# Altium PCB 256sog - killed.PcbDoc (part 1 of 4) (continued)
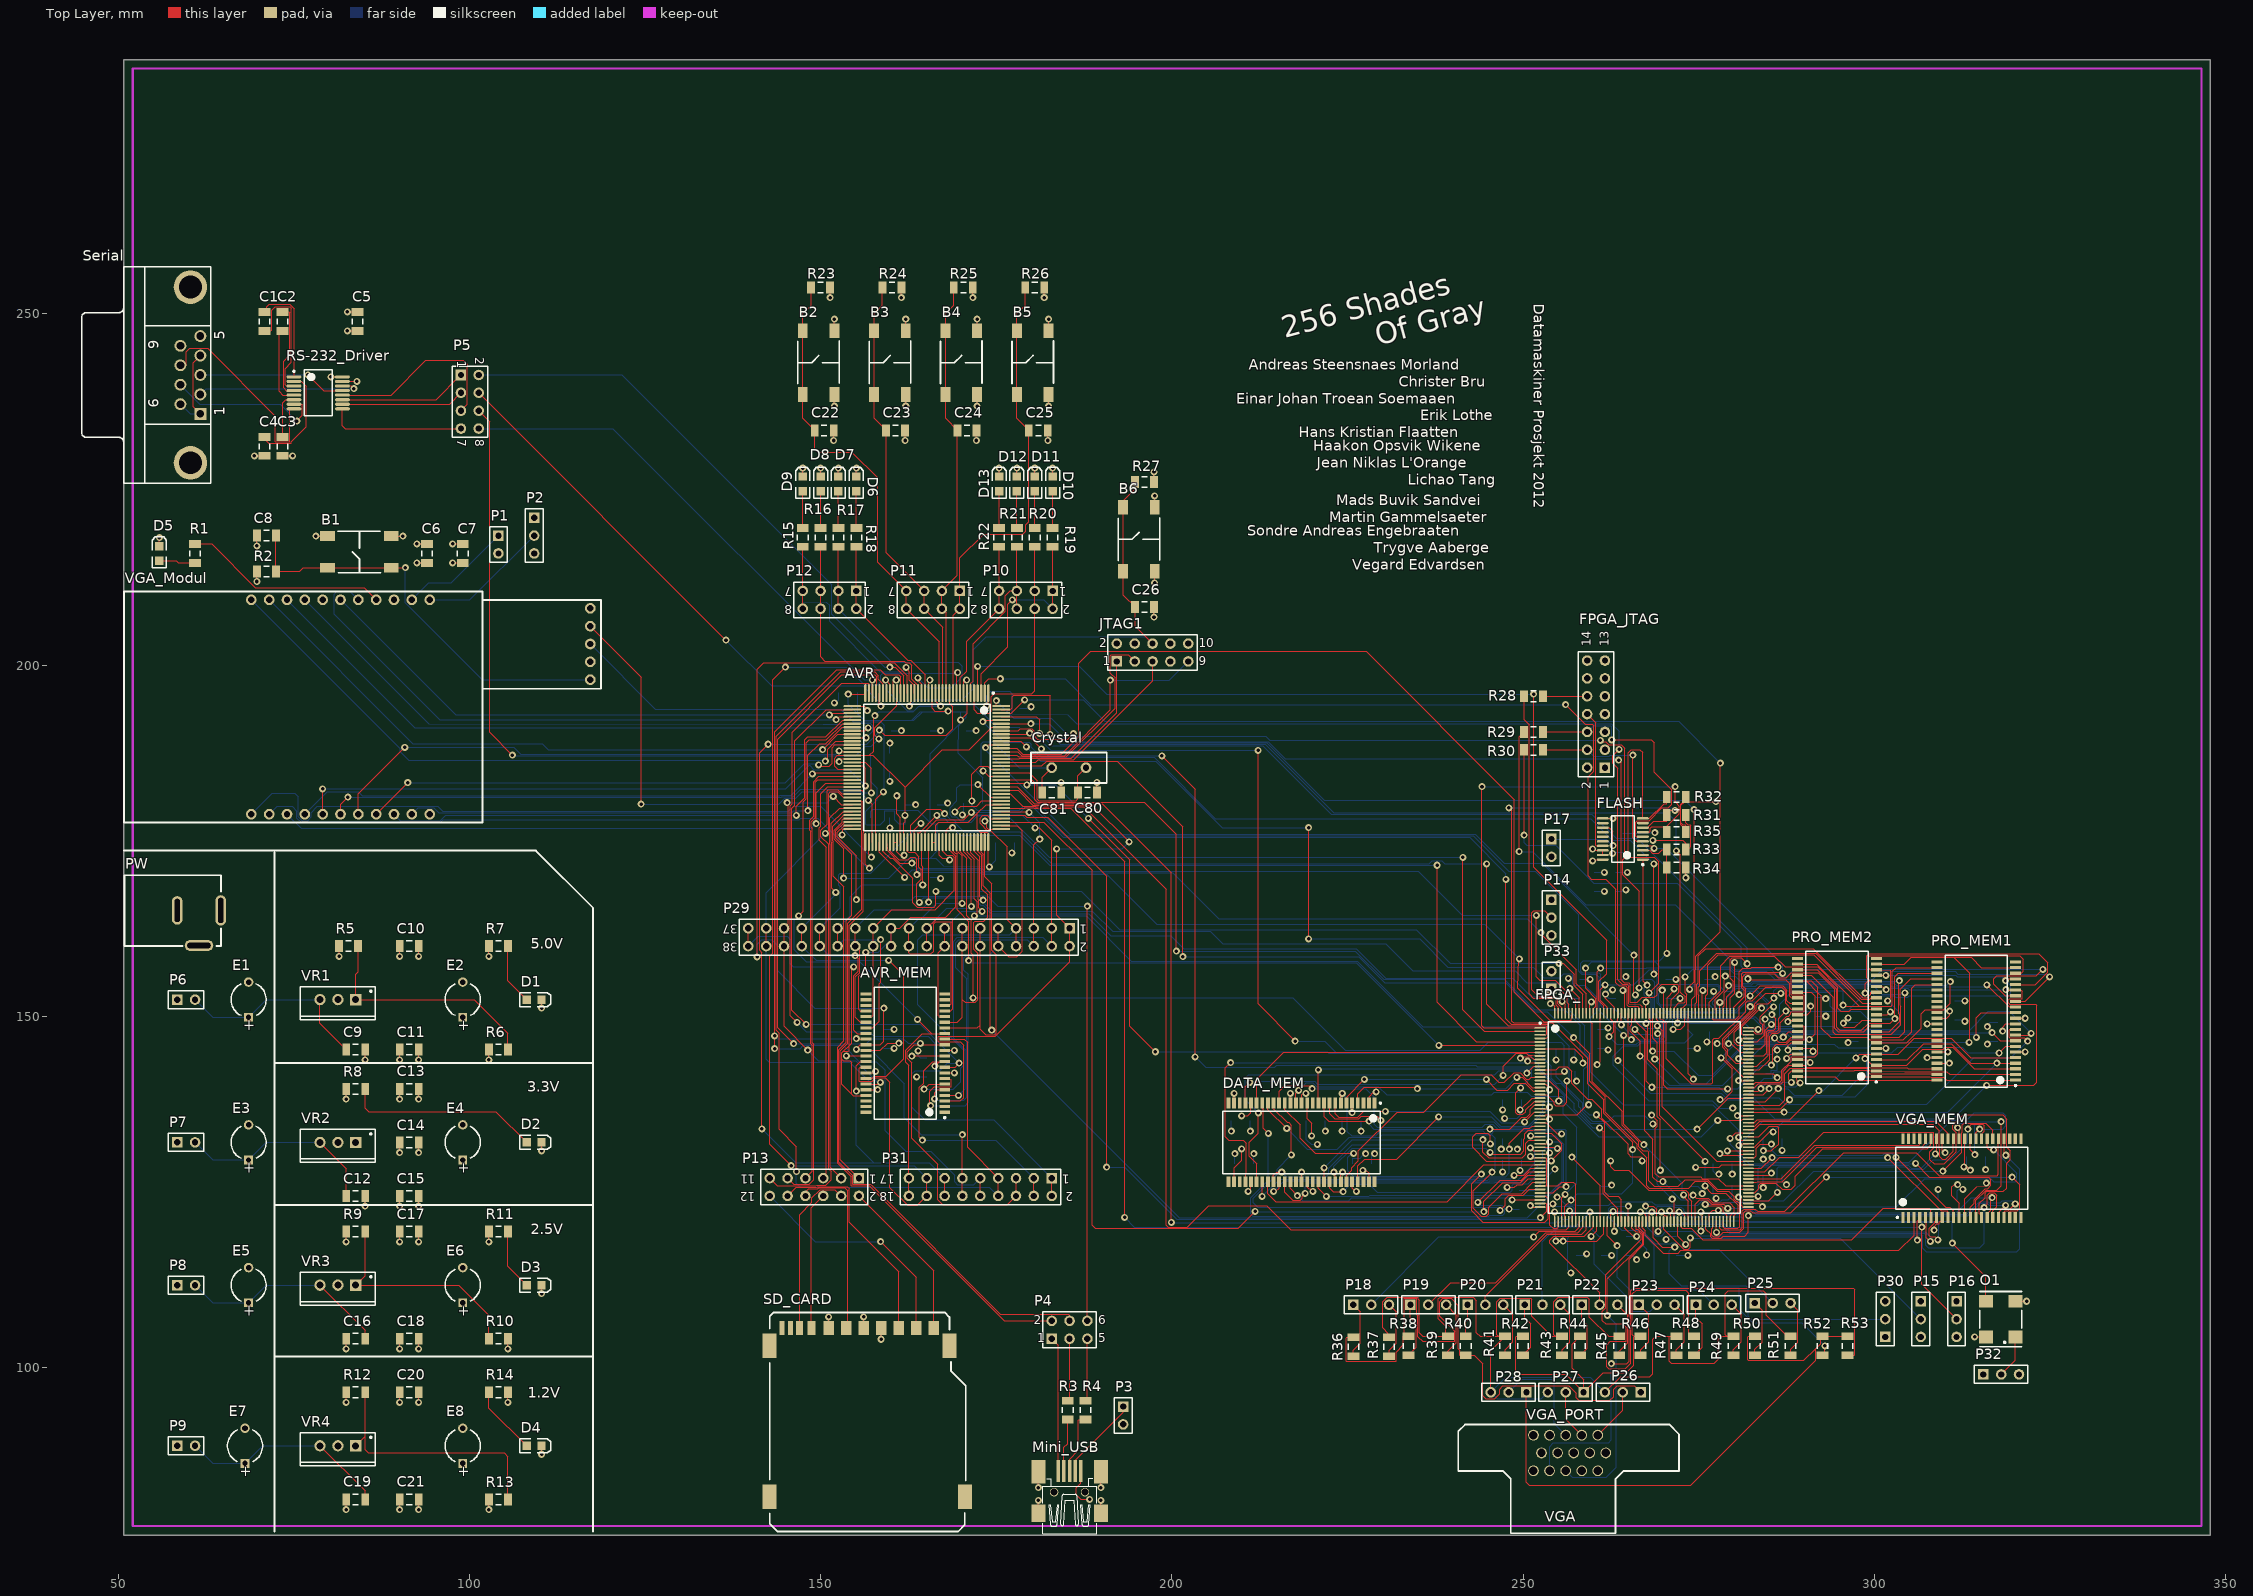
[diagram p0: Top Layer view]
## Footprints (in the part's own frame and the unit in brackets; to place one, negate y for a bottom-side part, rotate by r counter-clockwise, add the part's x,y. Pads: shape width x height; smd on the part's side, far side on the other; paste and mask are expansions set on the pad) (continued)
  silkscreen extent -1.27,-1.27 46.99,3.81
MY_TQFP144 [mm]
  oval 2.54x0.3 smd: 1(-10.6,8.75) 2(-10.6,8.25) 3(-10.6,7.75) 4(-10.6,7.25) 5(-10.6,6.75) 6(-10.6,6.25) 7(-10.6,5.75) 8(-10.6,5.25) 9(-10.6,4.75) 10(-10.6,4.25) 11(-10.6,3.75) 12(-10.6,3.25) 13(-10.6,2.75) 14(-10.6,2.25) 15(-10.6,1.75) 16(-10.6,1.25) 17(-10.6,0.75) 18(-10.6,0.25) 19(-10.6,-0.25) 20(-10.6,-0.75) 21(-10.6,-1.25) 22(-10.6,-1.75) 23(-10.6,-2.25) 24(-10.6,-2.75) 25(-10.6,-3.25) 26(-10.6,-3.75) 27(-10.6,-4.25) 28(-10.6,-4.75) 29(-10.6,-5.25) 30(-10.6,-5.75) 31(-10.6,-6.25) 32(-10.6,-6.75) 33(-10.6,-7.25) 34(-10.6,-7.75) 35(-10.6,-8.25) 36(-10.6,-8.75) 73(10.6,-8.75) 74(10.6,-8.25) 75(10.6,-7.75) 76(10.6,-7.25) 77(10.6,-6.75) 78(10.6,-6.25) 79(10.6,-5.75) 80(10.6,-5.25) 81(10.6,-4.75) 82(10.6,-4.25) 83(10.6,-3.75) 84(10.6,-3.25) 85(10.6,-2.75) 86(10.6,-2.25) 87(10.6,-1.75) 88(10.6,-1.25) 89(10.6,-0.75) 90(10.6,-0.25) 91(10.6,0.25) 92(10.6,0.75) 93(10.6,1.25) 94(10.6,1.75) 95(10.6,2.25) 96(10.6,2.75) 97(10.6,3.25) 98(10.6,3.75) 99(10.6,4.25) 100(10.6,4.75) 101(10.6,5.25) 102(10.6,5.75) 103(10.6,6.25) 104(10.6,6.75) 105(10.6,7.25) 106(10.6,7.75) 107(10.6,8.25) 108(10.6,8.75)
  oval 0.3x2.54 smd: 37(-8.75,-10.6) 38(-8.25,-10.6) 39(-7.75,-10.6) 40(-7.25,-10.6) 41(-6.75,-10.6) 42(-6.25,-10.6) 43(-5.75,-10.6) 44(-5.25,-10.6) 45(-4.75,-10.6) 46(-4.25,-10.6) 47(-3.75,-10.6) 48(-3.25,-10.6) 49(-2.75,-10.6) 50(-2.25,-10.6) 51(-1.75,-10.6) 52(-1.25,-10.6) 53(-0.75,-10.6) 54(-0.25,-10.6) 55(0.25,-10.6) 56(0.75,-10.6) 57(1.25,-10.6) 58(1.75,-10.6) 59(2.25,-10.6) 60(2.75,-10.6) 61(3.25,-10.6) 62(3.75,-10.6) 63(4.25,-10.6) 64(4.75,-10.6) 65(5.25,-10.6) 66(5.75,-10.6) 67(6.25,-10.6) 68(6.75,-10.6) 69(7.25,-10.6) 70(7.75,-10.6) 71(8.25,-10.6) 72(8.75,-10.6) 109(8.75,10.6) 110(8.25,10.6) 111(7.75,10.6) 112(7.25,10.6) 113(6.75,10.6) 114(6.25,10.6) 115(5.75,10.6) 116(5.25,10.6) 117(4.75,10.6) 118(4.25,10.6) 119(3.75,10.6) 120(3.25,10.6) 121(2.75,10.6) 122(2.25,10.6) 123(1.75,10.6) 124(1.25,10.6) 125(0.75,10.6) 126(0.25,10.6) 127(-0.25,10.6) 128(-0.75,10.6) 129(-1.25,10.6) 130(-1.75,10.6) 131(-2.25,10.6) 132(-2.75,10.6) 133(-3.25,10.6) 134(-3.75,10.6) 135(-4.25,10.6) 136(-4.75,10.6) 137(-5.25,10.6) 138(-5.75,10.6) 139(-6.25,10.6) 140(-6.75,10.6) 141(-7.25,10.6) 142(-7.75,10.6) 143(-8.25,10.6) 144(-8.75,10.6)
  silkscreen extent -10.72,-8.99 9.02,9.58, body extent -10,-10 10,10, height 1.6
My_USB [mm]
  rect 3.1x0.5 smd: 1(3,1.6) 2(3,0.8) 3(3,0) 4(3,-0.8) 5(3,-1.6)
  rect 2.5x2 smd: 5(-3,4.45) 5(-3,-4.45)
  rect 3.3x2 smd: 5(2.9,4.45) 5(2.9,-4.45)
  round 1.2 hole 1 unplated: ""(0,2.2) ""(0,-2.2)
  silkscreen extent -5.92,-3.85 1.97,3.85
Oscilator [mm]
  rect 1.8x2 smd: 1(0,0) 2(5.08,0) 3(5.08,4.2) 4(0,4.2)
  silkscreen extent -1.4,-0.89 6.48,5.08
PQG208_L [mm] "Shrink QFP, 208-Leads, Body 28x28mm, Pitch 0.5mm, IPC High Density"
  oval 1.55x0.25 smd: 1(-14.825,12.75) 2(-14.825,12.25) 3(-14.825,11.75) 4(-14.825,11.25) 5(-14.825,10.75) 6(-14.825,10.25) 7(-14.825,9.75) 8(-14.825,9.25) 9(-14.825,8.75) 10(-14.825,8.25) 11(-14.825,7.75) 12(-14.825,7.25) 13(-14.825,6.75) 14(-14.825,6.25) 15(-14.825,5.75) 16(-14.825,5.25) 17(-14.825,4.75) 18(-14.825,4.25) 19(-14.825,3.75) 20(-14.825,3.25) 21(-14.825,2.75) 22(-14.825,2.25) 23(-14.825,1.75) 24(-14.825,1.25) 25(-14.825,0.75) 26(-14.825,0.25) 27(-14.825,-0.25) 28(-14.825,-0.75) 29(-14.825,-1.25) 30(-14.825,-1.75) 31(-14.825,-2.25) 32(-14.825,-2.75) 33(-14.825,-3.25) 34(-14.825,-3.75) 35(-14.825,-4.25) 36(-14.825,-4.75) 37(-14.825,-5.25) 38(-14.825,-5.75) 39(-14.825,-6.25) 40(-14.825,-6.75) 41(-14.825,-7.25) 42(-14.825,-7.75) 43(-14.825,-8.25) 44(-14.825,-8.75) 45(-14.825,-9.25) 46(-14.825,-9.75) 47(-14.825,-10.25) 48(-14.825,-10.75) 49(-14.825,-11.25) 50(-14.825,-11.75) 51(-14.825,-12.25) 52(-14.825,-12.75) 105(14.825,-12.75) 106(14.825,-12.25) 107(14.825,-11.75) 108(14.825,-11.25) 109(14.825,-10.75) 110(14.825,-10.25) 111(14.825,-9.75) 112(14.825,-9.25) 113(14.825,-8.75) 114(14.825,-8.25) 115(14.825,-7.75) 116(14.825,-7.25) 117(14.825,-6.75) 118(14.825,-6.25) 119(14.825,-5.75) 120(14.825,-5.25) 121(14.825,-4.75) 122(14.825,-4.25) 123(14.825,-3.75) 124(14.825,-3.25) 125(14.825,-2.75) 126(14.825,-2.25) 127(14.825,-1.75) 128(14.825,-1.25) 129(14.825,-0.75) 130(14.825,-0.25) 131(14.825,0.25) 132(14.825,0.75) 133(14.825,1.25) 134(14.825,1.75) 135(14.825,2.25) 136(14.825,2.75) 137(14.825,3.25) 138(14.825,3.75) 139(14.825,4.25) 140(14.825,4.75) 141(14.825,5.25) 142(14.825,5.75) 143(14.825,6.25) 144(14.825,6.75) 145(14.825,7.25) 146(14.825,7.75) 147(14.825,8.25) 148(14.825,8.75) 149(14.825,9.25) 150(14.825,9.75) 151(14.825,10.25) 152(14.825,10.75) 153(14.825,11.25) 154(14.825,11.75) 155(14.825,12.25) 156(14.825,12.75)
  oval 0.25x1.55 smd: 53(-12.75,-14.825) 54(-12.25,-14.825) 55(-11.75,-14.825) 56(-11.25,-14.825) 57(-10.75,-14.825) 58(-10.25,-14.825) 59(-9.75,-14.825) 60(-9.25,-14.825) 61(-8.75,-14.825) 62(-8.25,-14.825) 63(-7.75,-14.825) 64(-7.25,-14.825) 65(-6.75,-14.825) 66(-6.25,-14.825) 67(-5.75,-14.825) 68(-5.25,-14.825) 69(-4.75,-14.825) 70(-4.25,-14.825) 71(-3.75,-14.825) 72(-3.25,-14.825) 73(-2.75,-14.825) 74(-2.25,-14.825) 75(-1.75,-14.825) 76(-1.25,-14.825) 77(-0.75,-14.825) 78(-0.25,-14.825) 79(0.25,-14.825) 80(0.75,-14.825) 81(1.25,-14.825) 82(1.75,-14.825) 83(2.25,-14.825) 84(2.75,-14.825) 85(3.25,-14.825) 86(3.75,-14.825) 87(4.25,-14.825) 88(4.75,-14.825) 89(5.25,-14.825) 90(5.75,-14.825) 91(6.25,-14.825) 92(6.75,-14.825) 93(7.25,-14.825) 94(7.75,-14.825) 95(8.25,-14.825) 96(8.75,-14.825) 97(9.25,-14.825) 98(9.75,-14.825) 99(10.25,-14.825) 100(10.75,-14.825) 101(11.25,-14.825) 102(11.75,-14.825) 103(12.25,-14.825) 104(12.75,-14.825) 157(12.75,14.825) 158(12.25,14.825) 159(11.75,14.825) 160(11.25,14.825) 161(10.75,14.825) 162(10.25,14.825) 163(9.75,14.825) 164(9.25,14.825) 165(8.75,14.825) 166(8.25,14.825) 167(7.75,14.825) 168(7.25,14.825) 169(6.75,14.825) 170(6.25,14.825) 171(5.75,14.825) 172(5.25,14.825) 173(4.75,14.825) 174(4.25,14.825) 175(3.75,14.825) 176(3.25,14.825) 177(2.75,14.825) 178(2.25,14.825) 179(1.75,14.825) 180(1.25,14.825) 181(0.75,14.825) 182(0.25,14.825) 183(-0.25,14.825) 184(-0.75,14.825) 185(-1.25,14.825) 186(-1.75,14.825) 187(-2.25,14.825) 188(-2.75,14.825) 189(-3.25,14.825) 190(-3.75,14.825) 191(-4.25,14.825) 192(-4.75,14.825) 193(-5.25,14.825) 194(-5.75,14.825) 195(-6.25,14.825) 196(-6.75,14.825) 197(-7.25,14.825) 198(-7.75,14.825) 199(-8.25,14.825) 200(-8.75,14.825) 201(-9.25,14.825) 202(-9.75,14.825) 203(-10.25,14.825) 204(-10.75,14.825) 205(-11.25,14.825) 206(-11.75,14.825) 207(-12.25,14.825) 208(-12.75,14.825)
  silkscreen extent -14.95,-13.65 13.65,13.65, body extent -14,-14 14,14, height 4.1
RESC3216L [mm] "Chip Resistor, Body 3.1x1.6mm, IPC High Density"
  rect 1.1x1.7 smd: 1(-1.35,0) 2(1.35,0)
  silkscreen extent -0.4,-0.75 0.4,0.75, body extent -1.68,-0.87 1.68,0.87, height 2.54
SD_CARD [mm]
  rect 1.5x2 smd: 1(-2.5,0) 2(-5,0) 3(-7.5,0) 4(-10,0) 5(-12.5,0) 6(-15,0) 9(0,0)
  rect 1.2x2 smd: 7(-17.425,0)
  rect 1x2 smd: 8(-19.125,0)
  rect 0.7x2 smd: CD(-20.425,0) WP(-21.625,0)
  rect 2x3.5 smd: GND(-23.425,-24) GND(-23.425,-2.5) GND(2.225,-2.5) GND(4.425,-24)
  Top Overlay keep-out lines w0.254: -23.375,-26.35 -23.375,-27.85 -22.25,-28.975 3.425,-28.975 4.375,-28.025 4.375,-26.3 ; -23.375,-21.55 -23.375,-4.95 ; -23.35,-0.05 -23.35,1.675 -22.8,2.225 1.525,2.225 2.2,1.55 2.2,-0.225 ; 2.45,-4.8 2.45,-6.125 4.525,-8.2 4.525,-21.725
  silkscreen extent -23.38,-28.97 4.53,2.22
SSOP16_N [mm] "SOP, 16-Leads, Body 6.2x5.3mm, Pitch 0.65mm, IPC Medium Density"
  oval 2.1x0.45 smd: 1(-3.45,2.275) 2(-3.45,1.625) 3(-3.45,0.975) 4(-3.45,0.325) 5(-3.45,-0.325) 6(-3.45,-0.975) 7(-3.45,-1.625) 8(-3.45,-2.275) 9(3.45,-2.275) 10(3.45,-1.625) 11(3.45,-0.975) 12(3.45,-0.325) 13(3.45,0.325) 14(3.45,0.975) 15(3.45,1.625) 16(3.45,2.275)
  silkscreen extent -3.57,-3.25 2,3.25, body extent -2.7,-3.25 2.7,3.25, height 1.99
T03B [mm] "TO, Thru-Hole, Vertical, Heatsink Mounted; 3 In-Line Leads; Pitch 2.54 mm"
  rect 1.6x1.6 hole 1: 1(-2.54,0)
  round 1.6 hole 1: 2(0,0) 3(2.54,0)
  silkscreen extent -5.35,-1.85 5.35,2.85, body extent -5.4,-1.9 5.4,2.9, height 19.4
TSOP80P1180X120-44N [mm] "TSOP, 44-Leads, Body 18,8x10,3mm (max), Pitch 0,80mm, IPC Medium Density"
  rect 1.55x0.45 smd: 1(-5.6,8.4) 2(-5.6,7.6) 3(-5.6,6.8) 4(-5.6,6) 5(-5.6,5.2) 6(-5.6,4.4) 7(-5.6,3.6) 8(-5.6,2.8) 9(-5.6,2) 10(-5.6,1.2) 11(-5.6,0.4) 12(-5.6,-0.4) 13(-5.6,-1.2) 14(-5.6,-2) 15(-5.6,-2.8) 16(-5.6,-3.6) 17(-5.6,-4.4) 18(-5.6,-5.2) 19(-5.6,-6) 20(-5.6,-6.8) 21(-5.6,-7.6) 22(-5.6,-8.4) 23(5.6,-8.4) 24(5.6,-7.6) 25(5.6,-6.8) 26(5.6,-6) 27(5.6,-5.2) 28(5.6,-4.4) 29(5.6,-3.6) 30(5.6,-2.8) 31(5.6,-2) 32(5.6,-1.2) 33(5.6,-0.4) 34(5.6,0.4) 35(5.6,1.2) 36(5.6,2) 37(5.6,2.8) 38(5.6,3.6) 39(5.6,4.4) 40(5.6,5.2) 41(5.6,6) 42(5.6,6.8) 43(5.6,7.6) 44(5.6,8.4)
  silkscreen extent -5.72,-9.4 4.42,9.4, body extent -5.13,-9.41 5.13,9.41, height 1.2
TSOP80P1180X120-54N [mm] "TSOP, 54-Leads, Body 22,4x10,3mm (max), Pitch 0,80mm, IPC Medium Density"
  rect 1.55x0.55 smd: 1(-5.6,10.4) 2(-5.6,9.6) 3(-5.6,8.8) 4(-5.6,8) 5(-5.6,7.2) 6(-5.6,6.4) 7(-5.6,5.6) 8(-5.6,4.8) 9(-5.6,4) 10(-5.6,3.2) 11(-5.6,2.4) 12(-5.6,1.6) 13(-5.6,0.8) 14(-5.6,0) 15(-5.6,-0.8) 16(-5.6,-1.6) 17(-5.6,-2.4) 18(-5.6,-3.2) 19(-5.6,-4) 20(-5.6,-4.8) 21(-5.6,-5.6) 22(-5.6,-6.4) 23(-5.6,-7.2) 24(-5.6,-8) 25(-5.6,-8.8) 26(-5.6,-9.6) 27(-5.6,-10.4) 28(5.6,-10.4) 29(5.6,-9.6) 30(5.6,-8.8) 31(5.6,-8) 32(5.6,-7.2) 33(5.6,-6.4) 34(5.6,-5.6) 35(5.6,-4.8) 36(5.6,-4) 37(5.6,-3.2) 38(5.6,-2.4) 39(5.6,-1.6) 40(5.6,-0.8) 41(5.6,0) 42(5.6,0.8) 43(5.6,1.6) 44(5.6,2.4) 45(5.6,3.2) 46(5.6,4) 47(5.6,4.8) 48(5.6,5.6) 49(5.6,6.4) 50(5.6,7.2) 51(5.6,8) 52(5.6,8.8) 53(5.6,9.6) 54(5.6,10.4)
  silkscreen extent -5.72,-11.2 4.42,11.35, body extent -5.14,-11.21 5.15,11.21, height 1.2
VGAModul [mil]
  round 60 hole 35.43: 1(0,0) 2(0,100) 3(0,200) 4(0,300) 5(0,400) 6(0,500) 7(0,600) 8(0,700) 9(0,800) 10(0,900) 11(0,1000) 12(1200.79,0) 13(1200.79,100) 14(1200.79,200) 15(1200.79,300) 16(1200.79,400) 17(1200.79,500) 18(1200.79,600) 19(1200.79,700) 20(1200.79,800) 21(1200.79,900) 22(1200.79,1000) 23(47.24,1900) 24(147.24,1900) 25(247.24,1900) 26(347.24,1900) 27(447.24,1900)
  silkscreen extent -47,-713 1248,1960
VOG20_N [mm] "TSOP, 20-Leads, Body 6.5x4.4mm, Pitch 0.65mm, IPC Medium Density"
  oval 1.7x0.35 smd: 1(-2.85,2.925) 2(-2.85,2.275) 3(-2.85,1.625) 4(-2.85,0.975) 5(-2.85,0.325) 6(-2.85,-0.325) 7(-2.85,-0.975) 8(-2.85,-1.625) 9(-2.85,-2.275) 10(-2.85,-2.925) 11(2.85,-2.925) 12(2.85,-2.275) 13(2.85,-1.625) 14(2.85,-0.975) 15(2.85,-0.325) 16(2.85,0.325) 17(2.85,0.975) 18(2.85,1.625) 19(2.85,2.275) 20(2.85,2.925)
  silkscreen extent -2.98,-3.3 1.6,3.77, body extent -2.25,-3.3 2.25,3.3, height 1.2

## Part data
AVR: "AVR32 32-Bit Microcontroller"
C1 C2 C3 C4 C5 C6 C7 C8 C9 C10 C11 C12 C13 C14 C15 C16 C17 C18 C19 C20 C21 C22 C23 C24 C25 C26 C27 C28 C29 C30 C31 C32 C33 C34 C35 C36 C37 C38 C39 C40 C41 C42 C43 C44 C45 C46 C47 C48 C49 C50 C51 C52 C53 C54 C55 C56 C57 C58 C59 C60 C61 C62 C63 C64 C65 C66 C67 C68 C69 C70 C71 C72 C73 C74 C75 C76 C77 C78 C79 C80 C81: "Capacitor (Semiconductor SIM Model)"
D1 D2 D3 D4 D5 D6 D7 D8 D9 D10 D11 D12 D13: "Low Profile Chip LED, Red"
E1 E2 E3 E4 E5 E6 E7 E8: "Polarized Capacitor (Radial)"
FLASH: "XCF00S Series, Platform Flash In-System Programmable Configuration 3.3V PROM, 20-Pin TSOP, 4-Megabit, Commercial Grade, Pb-Free"
FPGA_: "Spartan-3E 1.2V FPGA, 158 User I/Os, 208-Pin PQFP, Standard Performance, Commercial Grade, Pb-Free"
Mini_USB: "USB 2.0, Right Angle, SMT, B Type, Receptacle, 5 Position, Black"
P1 P3 P6 P7 P8 P9 P17 P33: "Header, 2-Pin"
P2 P14 P15 P16 P18 P19 P20 P21 P22 P23 P24 P25 P26 P27 P28 P30 P32: "Header, 3-Pin"
P4: "Header, 3-Pin, Dual row"
P5 P10 P11 P12: "Header, 4-Pin, Dual row"
P13: "Header, 6-Pin, Dual row"
P29: "Header, 19-Pin, Dual row"
P31: "Header, 9-Pin, Dual row"
R1 R2 R3 R4 R5 R6 R7 R8 R9 R10 R11 R12 R13 R14 R15 R16 R17 R18 R19 R20 R21 R22 R23 R24 R25 R26 R27 R28 R29 R30 R31 R32 R33 R34 R35 R36 R37 R38 R39 R40 R41 R42 R43 R44 R45 R46 R47 R48 R49 R50 R51 R52 R53: "Semiconductor Resistor"
RS-232_Driver: "±15kV ESD-Protected, 3.0V to 5.5V, Low-Power, up to 250kbps, True RS-232 Transceiver"
Serial: "Receptacle Assembly, 9 Position, Right Angle"
VR1 VR2 VR3 VR4: "5A Low Dropout Positive Regulators"

## Via types
v1: diameter 1, hole 0.5, Top Layer to Bottom Layer, 678 vias

## Nets (pads, with @x,y where several pads share a name; then routed paths per layer and width w, separated by ;. In a path a pad name is that pad's centre, name@x,y a point inside that pad or via, vN(x,y) a via of type N, cw(c..) or ccw(c..) an arc to the next point about the centre after c; other vN are vias at no path point)
1.2V: C20.2 C21.2 C60.2 C61.2 C62.2 C63.2 E8.1 FPGA_.13 FPGA_.67 FPGA_.117 FPGA_.170 R12.2 R14.2 VR4.2 | length 117.6
  Top Layer w0.1: v1(82.47,95.07) R12.2@82.47,96.52 ; v1(90.09,95.07) C20.2@90.09,96.52 ; v1(92.79,79.83) C21.2@92.79,81.28 ; v1(105.49,95.07) R14.2@105.49,96.52 ; FPGA_.13@252.383,142.386 254.682,142.386 255.138,142.842 256.235,142.842 256.885,142.192 256.885,140.472 259.144,138.213 259.769,138.213 261.158,136.824 261.158,135.546 264.907,131.797 264.907,130.454 265.313,130.048 266.7,130.048 266.903,129.845 v1(266.903,129.438) ; v1(255.651,118.034) 255.661,118.044 260.427,118.044 261.458,119.075 FPGA_.67@261.458,120.811 ; FPGA_.170@273.458,150.461 273.458,141.832 v1(274.218,141.072) ; v1(274.508,128.524) 277.881,128.524 278.243,128.886 FPGA_.117@282.033,128.886
  Bottom Layer w0.1: v1(254.635,118.034) 254.635,119.558 255.121,120.044 259.411,120.044 260.756,118.698 C61.2@261.112,118.698 ; C62.2@254.682,142.24 254.682,141.405 258.43,137.657 258.43,136.427 259.799,135.057 262.172,135.057 262.966,135.851 267.298,135.851 v1(268.427,134.722) ; C63.2@273.304,148.162 274.093,147.373 272.974,146.253 266.693,146.253 266.3,145.86 264.295,145.86 262.808,144.374 262.808,143.053 267.837,138.024 276.914,138.024 277.981,136.957 v1(279.806,136.957) ; v1(279.734,127.582) C60.2@279.734,129.032
2.5V: C17.2 C18.2 C52.1 C53.1 C54.1 C55.1 C56.1 C57.1 C58.1 C59.1 E6.1 FPGA_.7 FPGA_.44 FPGA_.66 FPGA_.92 FPGA_.111 FPGA_.149 FPGA_.166 FPGA_.195 R9.2 R11.2 R32.1 R35.1 VR3.2 | length 139.1
  Top Layer w0.1: v1(82.47,117.93) R9.2@82.47,119.38 ; v1(90.09,117.93) C17.2@90.09,119.38 ; v1(92.79,102.69) C18.2@92.79,104.14 ; v1(102.79,117.93) R11.2@102.79,119.38 ; v1(247.702,125.679) 248.741,125.679 249.105,126.043 249.848,126.043 250.691,126.886 FPGA_.44@252.383,126.886 ; FPGA_.7@252.383,145.386 257.27,145.386 258.486,144.17 v1(258.486,143.358) ; v1(256.921,129.972) 260.244,126.648 260.244,126.594 260.958,125.88 FPGA_.66@260.958,120.811 ; v1(260.502,143.139) 260.958,143.595 FPGA_.195@260.958,150.461 ; v1(262.433,129.438) 262.433,128.6 262.941,128.092 264.998,128.092 267.828,125.262 273.101,125.262 273.518,124.846 273.518,124.155 273.958,123.715 FPGA_.92@273.958,120.811 ; v1(268.249,135.966) 269.077,135.138 269.077,134.356 268.808,134.087 268.808,127.61 269.24,127.178 275.234,127.178 275.471,126.941 277.736,126.941 278.79,125.886 FPGA_.111@282.033,125.886 ; R32.1@273.13,181.229 273.13,180.924 272.427,180.221 272.427,180.047 ; FPGA_.166@275.458,150.461 275.458,153.719 v1(275.539,153.719) ; v1(277.393,180.594) 273.13,180.594 272.974,180.594 272.427,180.047 ; v1(279.222,146.152) 279.62,146.152 280.886,144.886 FPGA_.149@282.033,144.886 ; 272.427,177.56 272.694,177.292 273.028,177.292 273.13,177.19 R35.1@273.13,176.581 ; 272.427,177.56 272.427,180.047 ; 272.427,177.56 272.427,177.284 R35.1@273.13,176.581 ; R35.1@273.13,176.581 R35.1@273.13,176.276 R35.1@273.13,176.581
  Bottom Layer w0.1: C56.1@249.428,125.302 251.54,125.302 v1(254.508,128.27) ; v1(254.682,143.838) C59.1@254.682,145.288 ; v1(254.813,124.308) 255.016,124.308 255.306,124.018 255.306,123.952 256.032,123.226 257.542,123.226 257.658,123.11 C57.1@261.112,123.11 262.158,123.11 262.71,123.662 268.274,123.662 268.76,123.176 271.598,123.176 271.665,123.11 C58.1@273.812,123.11 274.809,123.11 275.615,123.916 276.545,123.916 276.984,123.478 277.807,123.478 278.284,123.954 279.197,123.954 279.734,124.491 C52.1@279.734,125.984 ; C54.1@260.604,148.162 261.851,148.162 v1(262.054,148.365) ; C55.1@275.844,152.574 276.758,152.574 277.091,152.906 v1(277.091,153.59) ; v1(277.597,146.152) 278.79,146.152 279.006,146.368 279.226,146.587 C53.1@279.226,147.828
3.3V: AVR_MEM.11 AVR_MEM.33 C5.1 C13.2 C14.2 C15.2 C40.1 C41.1 C42.1 C43.1 C44.1 C45.1 C46.2 C47.2 C48.2 C49.2 C50.2 C51.2 C64.2 C65.2 C66.2 C67.1 C68.2 C69.1 C70.2 C71.1 C72.2 C73.2 C74.2 C75.2 C76.2 C77.2 C78.1 C79.2 DATA_MEM.2 DATA_MEM.14 DATA_MEM.16 DATA_MEM.23 DATA_MEM.29 DATA_MEM.50 E4.1 FLASH.18 FLASH.19 FLASH.20 FPGA_.21 FPGA_.38 FPGA_.46 FPGA_.59 FPGA_.73 FPGA_.88 FPGA_.114 FPGA_.125 FPGA_.143 FPGA_.176 FPGA_.191 FPGA_.201 FPGA_JTAG.2 JTAG1.4 O1.4 P2.1 P14.1 P15.1 P16.1 P30.1 P32.1 PRO_MEM1.11 PRO_MEM1.33 PRO_MEM2.11 PRO_MEM2.33 R2.2 R8.2 R23.2 R24.2 R25.2 R26.2 R27.2 R31.1 R33.2 RS-232_Driver.16 SD_CARD.4 VGA_MEM.11 VGA_MEM.33 VR2.2 | length 212.6
  Top Layer w0.1: v1(69.77,211.91) R2.2@69.77,213.36 ; v1(80.286,241.035) RS-232_Driver.16@81.936,241.035 ; v1(82.47,138.25) R8.2@82.47,139.7 ; v1(82.624,250.27) C5.1@84.074,250.27 ; v1(92.79,123.01) C15.2@92.79,124.46 ; v1(92.79,130.63) C14.2@92.79,132.08 ; v1(92.79,138.25) C13.2@92.79,139.7 ; v1(151.337,252.296) R23.2@151.337,253.746 ; SD_CARD.4@156.116,105.664 v1(156.116,107.264) ; AVR_MEM.33@156.452,145.18 158.489,145.18 159.512,146.202 v1(161.133,146.202) ; v1(161.497,252.296) R24.2@161.497,253.746 ; v1(162.971,144.374) 162.978,144.38 AVR_MEM.11@167.652,144.38 ; v1(171.657,252.296) R25.2@171.657,253.746 ; v1(181.817,252.296) R26.2@181.817,253.746 ; R27.2@197.438,226.06 v1(197.438,227.51) ; DATA_MEM.29@208.84,126.48 208.84,128.496 209.906,129.561 v1(209.906,131.161) ; v1(209.906,135.844) 210.78,135.844 211.24,136.304 DATA_MEM.23@211.24,137.68 ; DATA_MEM.16@216.84,137.68 v1(216.84,139.055) ; DATA_MEM.14@218.44,137.68 218.44,138.849 218.646,139.055 v1(219.05,139.055) ; DATA_MEM.50@225.64,126.48 225.64,125.578 226.113,125.105 v1(226.25,125.105) ; DATA_MEM.2@228.04,137.68 228.04,138.582 228.716,139.258 v1(229.056,139.258) ; v1(249.555,136.703) 251.238,138.386 FPGA_.21@252.383,138.386 ; v1(251.008,130.089) 251.008,130.033 251.155,129.886 FPGA_.38@252.383,129.886 253.187,129.886 253.314,129.759 253.314,126.013 253.187,125.886 ; v1(256.616,154) 257.958,152.658 FPGA_.201@257.958,150.461 ; FPGA_.59@257.458,120.811 257.458,126.092 257.114,126.436 255.458,126.436 254.908,125.886 253.187,125.886 ; v1(259.86,172.132) 260.063,172.335 FLASH.20@261.31,172.335 ; v1(259.86,173.838) 259.86,173.769 259.994,173.635 FLASH.18@261.29,173.635 ; FLASH.19@261.31,172.985 261.29,172.985 FLASH.18@261.29,173.635 ; v1(261.696,153.187) 261.696,152.578 262.958,151.316 FPGA_.191@262.958,150.461 ; FPGA_.73@264.458,120.811 264.458,119.869 265.633,118.694 v1(266.116,118.694) ; v1(268.453,175.057) 272.694,175.057 273.13,174.621 R33.2@273.13,174.041 ; FPGA_.176@270.458,150.461 270.458,152.702 271.475,153.719 v1(271.475,153.922) ; FPGA_.88@271.958,120.811 271.958,118.696 v1(273.101,117.553) ; R31.1@273.13,178.689 273.13,177.597 273.435,177.292 273.736,177.292 273.837,177.19 273.837,174.142 273.736,174.041 R33.2@273.13,174.041 ; FPGA_.114@282.033,127.386 285.169,127.386 285.291,127.508 v1(285.291,127.711) ; FPGA_.125@282.033,132.886 283.499,132.886 285.001,134.388 286.106,134.388 286.349,134.144 286.349,131.826 285.557,131.176 285.293,130.912 v1(284.15,130.912) ; FPGA_.143@282.033,141.886 285.545,141.886 v1(286.131,141.3) ; PRO_MEM2.33@289.04,150.26 290.416,150.26 290.876,150.72 v1(290.876,151.486) ; v1(295.559,149.047) 295.559,148.539 295.661,148.438 297.18,148.438 298.203,149.46 PRO_MEM2.11@300.24,149.46 ; PRO_MEM1.33@308.852,149.752 310.228,149.752 310.688,150.212 v1(310.688,150.774) ; v1(311.81,126.081) 311.297,126.081 310.998,125.781 310.998,124.46 312.02,123.437 VGA_MEM.11@312.02,121.4 ; VGA_MEM.33@312.82,132.6 312.82,128.942 312.93,128.832 v1(313.639,128.123) ; v1(314.24,104.394) O1.4@315.84,104.394 ; v1(318.216,147.93) 318.216,148.492 318.676,148.952 PRO_MEM1.11@320.052,148.952 ; 253.187,125.886 FPGA_.46@252.383,125.886 253.187,125.886 ; FLASH.18@261.29,173.635 FLASH.18@261.31,173.635 FLASH.18@261.29,173.635 ; R33.2@273.13,174.041 R33.2@273.13,173.736 R33.2@273.13,174.041 ; v1(313.639,128.123) 313.842,127.919 313.741,127.919 313.639,128.021 v1(313.639,128.123)
  Bottom Layer w0.1: C71.1@159.004,145.462 v1(160.454,145.462) ; v1(163.853,145.114) 163.779,145.114 163.65,144.985 163.65,144.634 164.186,144.098 C72.2@165.1,144.098 ; C77.2@208.962,129.032 v1(208.962,130.482) ; v1(211.154,133.678) C76.2@211.154,135.128 ; C75.2@219.122,135.128 219.122,132.486 219.814,131.795 v1(220.675,131.795) ; C74.2@225.726,129.032 225.726,129.832 226.814,129.832 226.928,129.946 226.928,130.048 227.362,130.482 v1(227.555,130.482) ; v1(226.902,133.678) C73.2@226.902,135.128 ; v1(247.324,135.507) 249.125,135.507 249.762,136.144 249.762,136.703 C51.2@249.762,138.176 ; v1(249.152,131.138) 249.226,131.138 249.762,131.674 C43.1@249.762,132.588 ; v1(249.559,128.09) 249.762,128.293 C40.1@249.762,129.54 ; v1(256.411,155.419) 256.411,154.809 256.599,154.621 256.599,154 256.599,152.819 256.845,152.574 C41.1@258.064,152.574 ; v1(256.769,113.513) 256.301,113.98 256.301,118.466 256.533,118.698 C47.2@257.556,118.698 ; C66.2@260.096,170.514 v1(261.546,170.514) ; v1(262.71,153.793) 262.128,153.793 261.694,153.359 261.694,153.187 261.694,153.008 262.128,152.574 C42.1@263.144,152.574 ; v1(262.71,173.199) 262.913,173.402 C64.2@264.16,173.402 ; C65.2@263.144,170.514 v1(264.797,170.514) ; C49.2@264.668,118.698 265.712,118.698 265.916,118.494 267.54,116.869 v1(267.54,116.056) ; C44.1@270.256,152.574 v1(272.316,152.574) ; v1(270.33,118.292) 270.736,118.698 C50.2@271.78,118.698 ; v1(284.146,125.652) C48.2@284.146,127.508 ; v1(284.146,129.716) 284.146,130.912 C46.2@284.146,132.588 ; C45.1@284.48,141.906 285.281,141.906 285.281,142.325 286.118,142.325 286.133,142.34 v1(286.133,143.938) ; C79.2@291.592,150.034 v1(293.042,150.034) ; v1(296.238,149.788) 296.238,149.307 296.367,149.178 C78.1@297.688,149.178 ; C68.2@311.404,149.526 312.651,149.526 v1(312.854,149.323) ; C70.2@311.738,123.952 311.738,125.171 311.969,125.402 v1(312.551,125.402) ; v1(312.696,128.598) 313.102,129.004 C69.1@313.102,130.048 ; v1(316.05,148.568) 316.05,148.742 316.486,149.178 C67.1@317.5,149.178
5.0V: C6.2 C7.2 C10.2 C11.2 E2.1 R5.2 R7.2 VGA_Modul.22 VGA_Modul.23 VR1.2 | length 8.7
  Top Layer w0.1: v1(81.454,158.57) R5.2@81.454,160.02 ; v1(92.53,217.25) C6.2@93.98,217.25 ; v1(92.79,143.838) C11.2@92.79,145.288 ; v1(92.79,158.57) C10.2@92.79,160.02 ; v1(97.61,214.55) C7.2@99.06,214.55 ; v1(102.79,158.57) R7.2@102.79,160.02
12.0V: P6.1 P7.1 P8.1 P9.1 PW.1
A0: AVR.120 AVR_MEM.3 P29.1 P29.2 | length 86.8
  Top Layer w0.1: AVR_MEM.3@167.652,137.98 169.875,137.98 170.358,138.463 170.358,145.898 169.875,146.38 166.827,146.38 166.726,146.482 166.726,147.091 166.827,147.193 174.854,147.193 185.42,157.759 P29.2@185.42,160.02 P29.1@185.42,162.56 183.566,164.414 v1(183.566,173.863) ; AVR.120@175.7,182.17 178.115,182.17 180.19,180.095 188.663,180.095 v1(193.904,174.854)
  Bottom Layer w0.1: v1(183.566,173.863) 192.913,173.863 v1(193.904,174.854)
A1: AVR.118 AVR_MEM.4 P29.3 P29.4 | length 83
  Top Layer w0.1: AVR_MEM.4@167.652,138.78 v1(169.616,138.78) ; v1(172.364,183.007) 174.201,181.17 AVR.118@175.7,181.17 ; v1(180.518,176.835) 181.122,176.835 182.88,175.077 P29.3@182.88,162.56 P29.4@182.88,160.02
  Bottom Layer w0.1: v1(169.616,138.78) 170.547,139.712 170.547,145.276 168.91,146.914 168.91,160.731 169.469,161.29 181.61,161.29 P29.4@182.88,160.02 ; v1(172.364,183.007) 169.875,183.007 169.393,182.524 169.393,180.696 168.427,179.73 168.427,178.689 168.656,178.46 169.266,178.46 169.875,177.851 171.193,177.851 172.082,178.74 178.612,178.74 v1(180.518,176.835)
A2: AVR.114 AVR_MEM.5 P29.5 P29.6 | length 65.7
  Top Layer w0.1: v1(166.21,138.278) 166.21,139.166 166.624,139.58 AVR_MEM.5@167.652,139.58 ; AVR.114@175.7,179.17 179.554,179.17 v1(179.68,179.045) ; P29.6@180.34,160.02 P29.5@180.34,162.56 180.34,174.422 v1(181.178,175.26)
  Bottom Layer w0.1: v1(166.21,138.278) 166.414,138.074 170.383,138.074 170.803,138.494 170.803,155.358 169.24,156.921 169.24,160.528 169.647,160.934 179.426,160.934 P29.6@180.34,160.02 ; v1(179.68,179.045) 181.178,177.546 v1(181.178,175.26)
A3: AVR.112 AVR_MEM.6 P29.7 P29.8 | length 70.6
  Top Layer w0.1: v1(164.719,139.649) 165.45,140.38 AVR_MEM.6@167.652,140.38 ; AVR.112@175.7,178.17 174.117,178.17 173.674,178.613 173.065,178.613 172.695,178.243 172.695,177.508 173.732,176.47 174.232,176.47 176.57,174.133 176.57,163.79 P29.7@177.8,162.56 P29.8@177.8,160.02
  Bottom Layer w0.1: v1(164.719,139.649) 168.885,139.649 169.951,140.716 169.951,142.646 170.347,143.042 170.347,145.171 163.83,151.689 163.83,160.934 164.541,161.646 176.886,161.646 P29.7@177.8,162.56
A4: AVR.110 AVR_MEM.7 P29.9 P29.10 | length 66.8
  Top Layer w0.1: v1(165.659,137.312) 165.557,137.414 165.557,139.395 166.167,140.005 168.58,140.005 168.58,141.053 AVR_MEM.7@167.652,141.18 ; P29.9@175.26,162.56 P29.10@175.26,160.02 176.784,158.496 177.902,158.496 178.714,159.309 178.714,176.459 178.003,177.17 AVR.110@175.7,177.17
  Bottom Layer w0.1: v1(165.659,137.312) 170.546,137.312 171.003,137.77 171.003,155.996 170.383,156.616 170.383,158.369 170.688,158.674 173.914,158.674 P29.10@175.26,160.02
A5: AVR.107 AVR_MEM.16 P29.11 P29.12 | length 61.4
  Top Layer w0.1: AVR_MEM.16@167.652,148.38 172.314,148.38 172.72,148.786 ; P29.11@172.72,162.56 P29.12@172.72,160.02 ; AVR.107@173.35,174.82 173.35,173.538 173.355,173.533 173.355,169.901 174.36,168.896 174.36,159.396 174.996,158.76 174.996,147.64 174.752,147.396 173.507,147.396 172.72,148.184 172.72,148.786 ; 172.72,148.786 P29.12@172.72,160.02 ; 172.72,148.786 P29.12@172.72,160.02
A6: AVR.105 AVR_MEM.17 P29.13 P29.14 | length 50.4
  Top Layer w0.1: AVR_MEM.17@167.652,149.18 169.469,149.18 170.18,149.891 170.18,152.4 ; P29.13@170.18,162.56 P29.14@170.18,160.02 ; AVR.105@172.35,174.82 172.35,173.533 172.949,172.934 172.949,168.138 173.776,167.31 173.776,164.124 173.228,163.576 172.009,163.576 171.82,163.387 171.82,159.574 172.39,159.004 172.39,152.4 171.983,151.994 170.586,151.994 170.18,152.4 ; 170.18,152.4 P29.14@170.18,160.02 ; 170.18,152.4 P29.14@170.18,160.02
A7: AVR.103 AVR_MEM.18 P29.15 P29.16 | length 30.7
  Top Layer w0.1: P29.15@167.64,162.56 P29.16@167.64,160.02 166.726,159.106 166.726,150.082 166.827,149.98 AVR_MEM.18@167.652,149.98 ; AVR.103@171.35,174.82 171.35,173.304 172.407,172.248 172.407,166.615 172.476,166.545 172.476,165.471 v1(172.974,164.973)
  Bottom Layer w0.1: P29.15@167.64,162.56 170.053,164.973 v1(172.974,164.973)